# KiCad board geiger-module.kicad_pcb
title: Solarcast Geiger Module; date: 2017-01-30; rev: 1.0; company: Institute IRNAS Rače
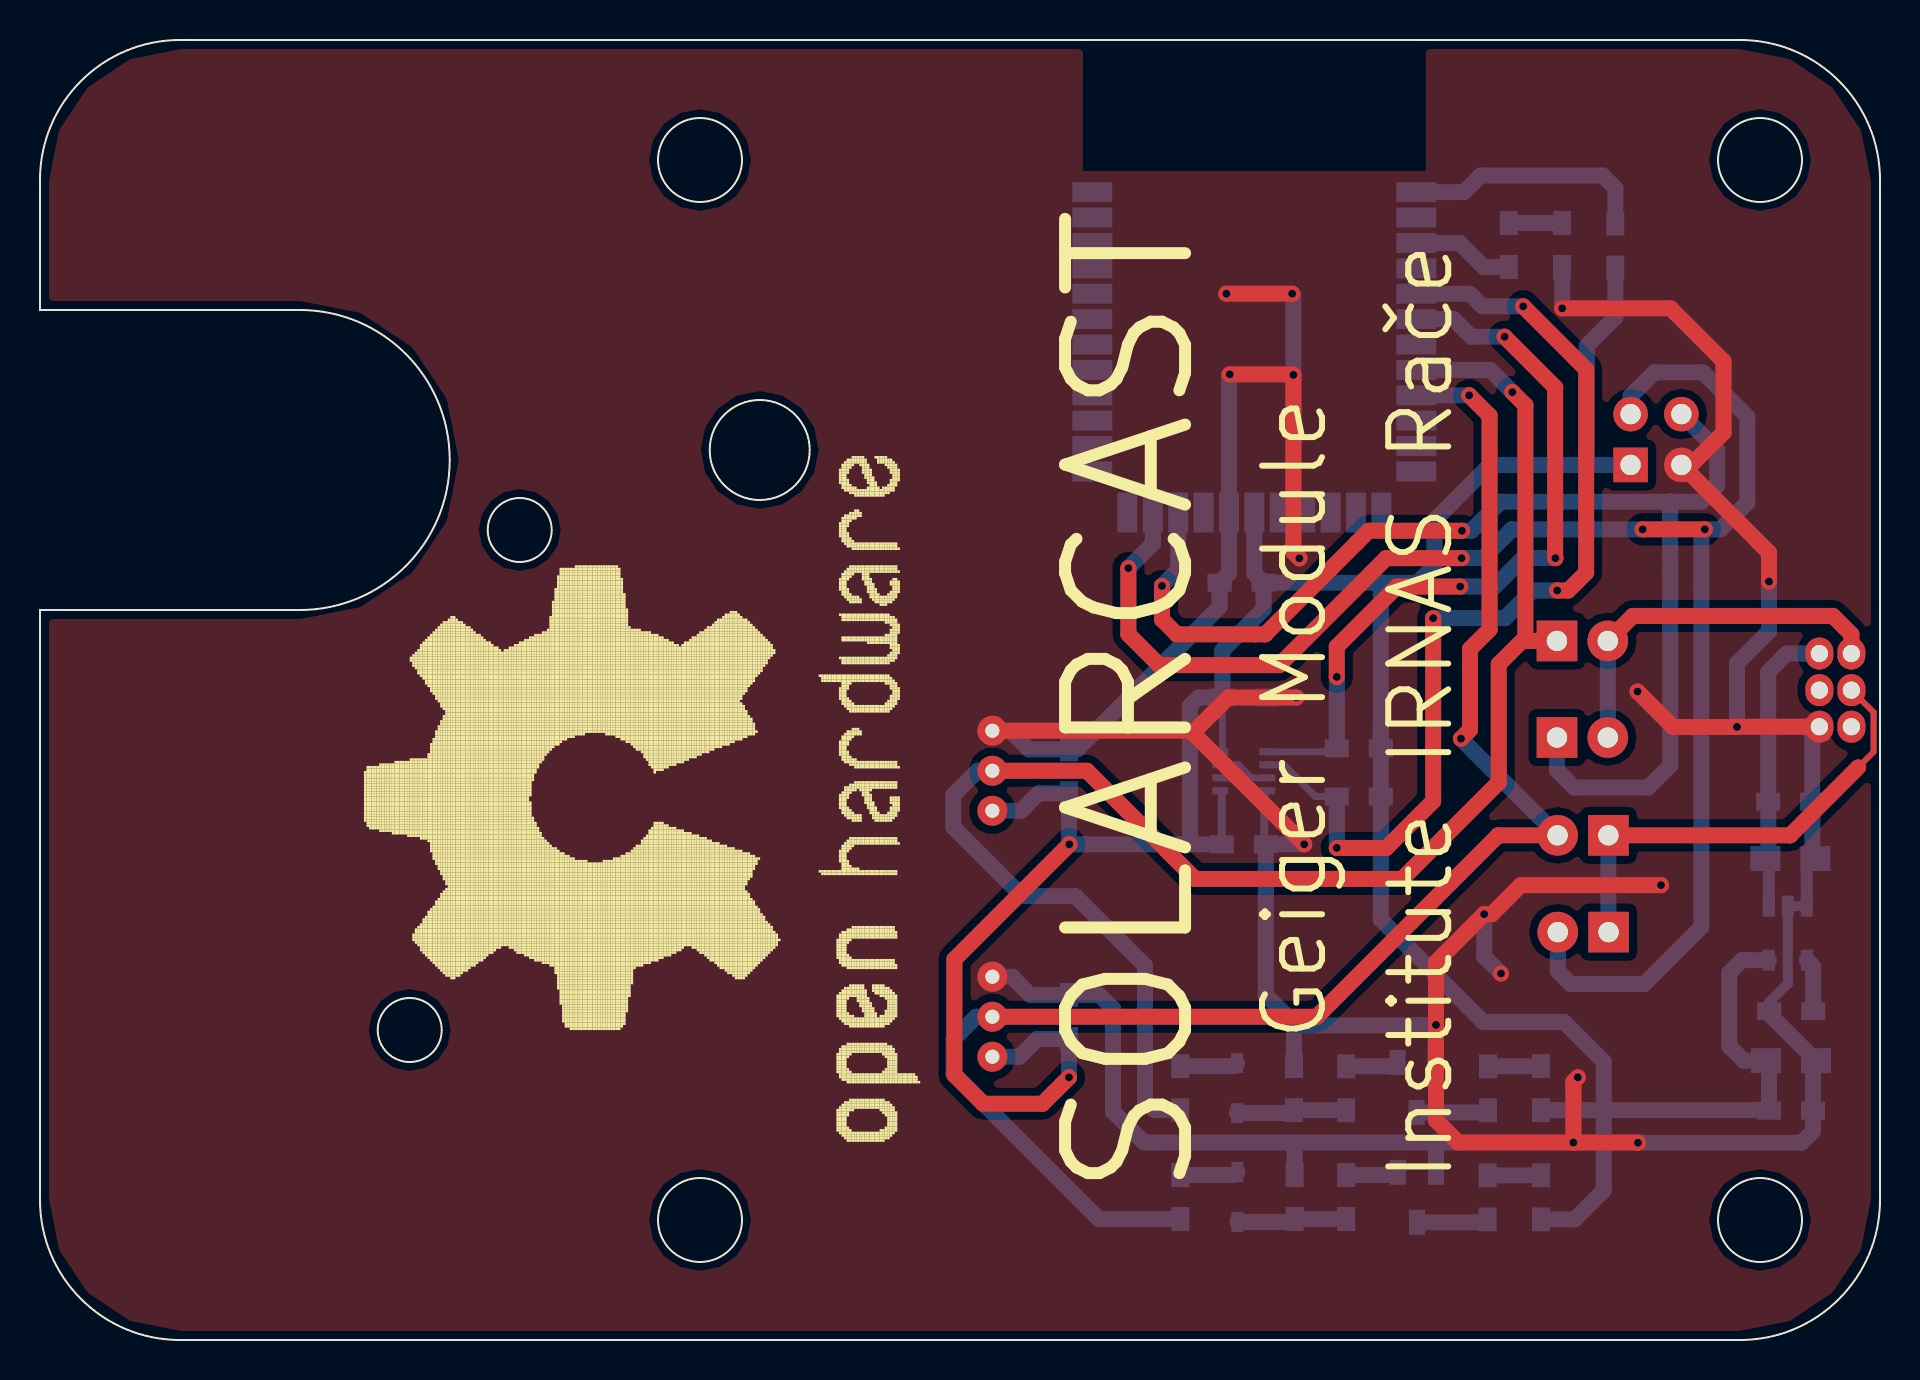
[diagram p0: board, top side]
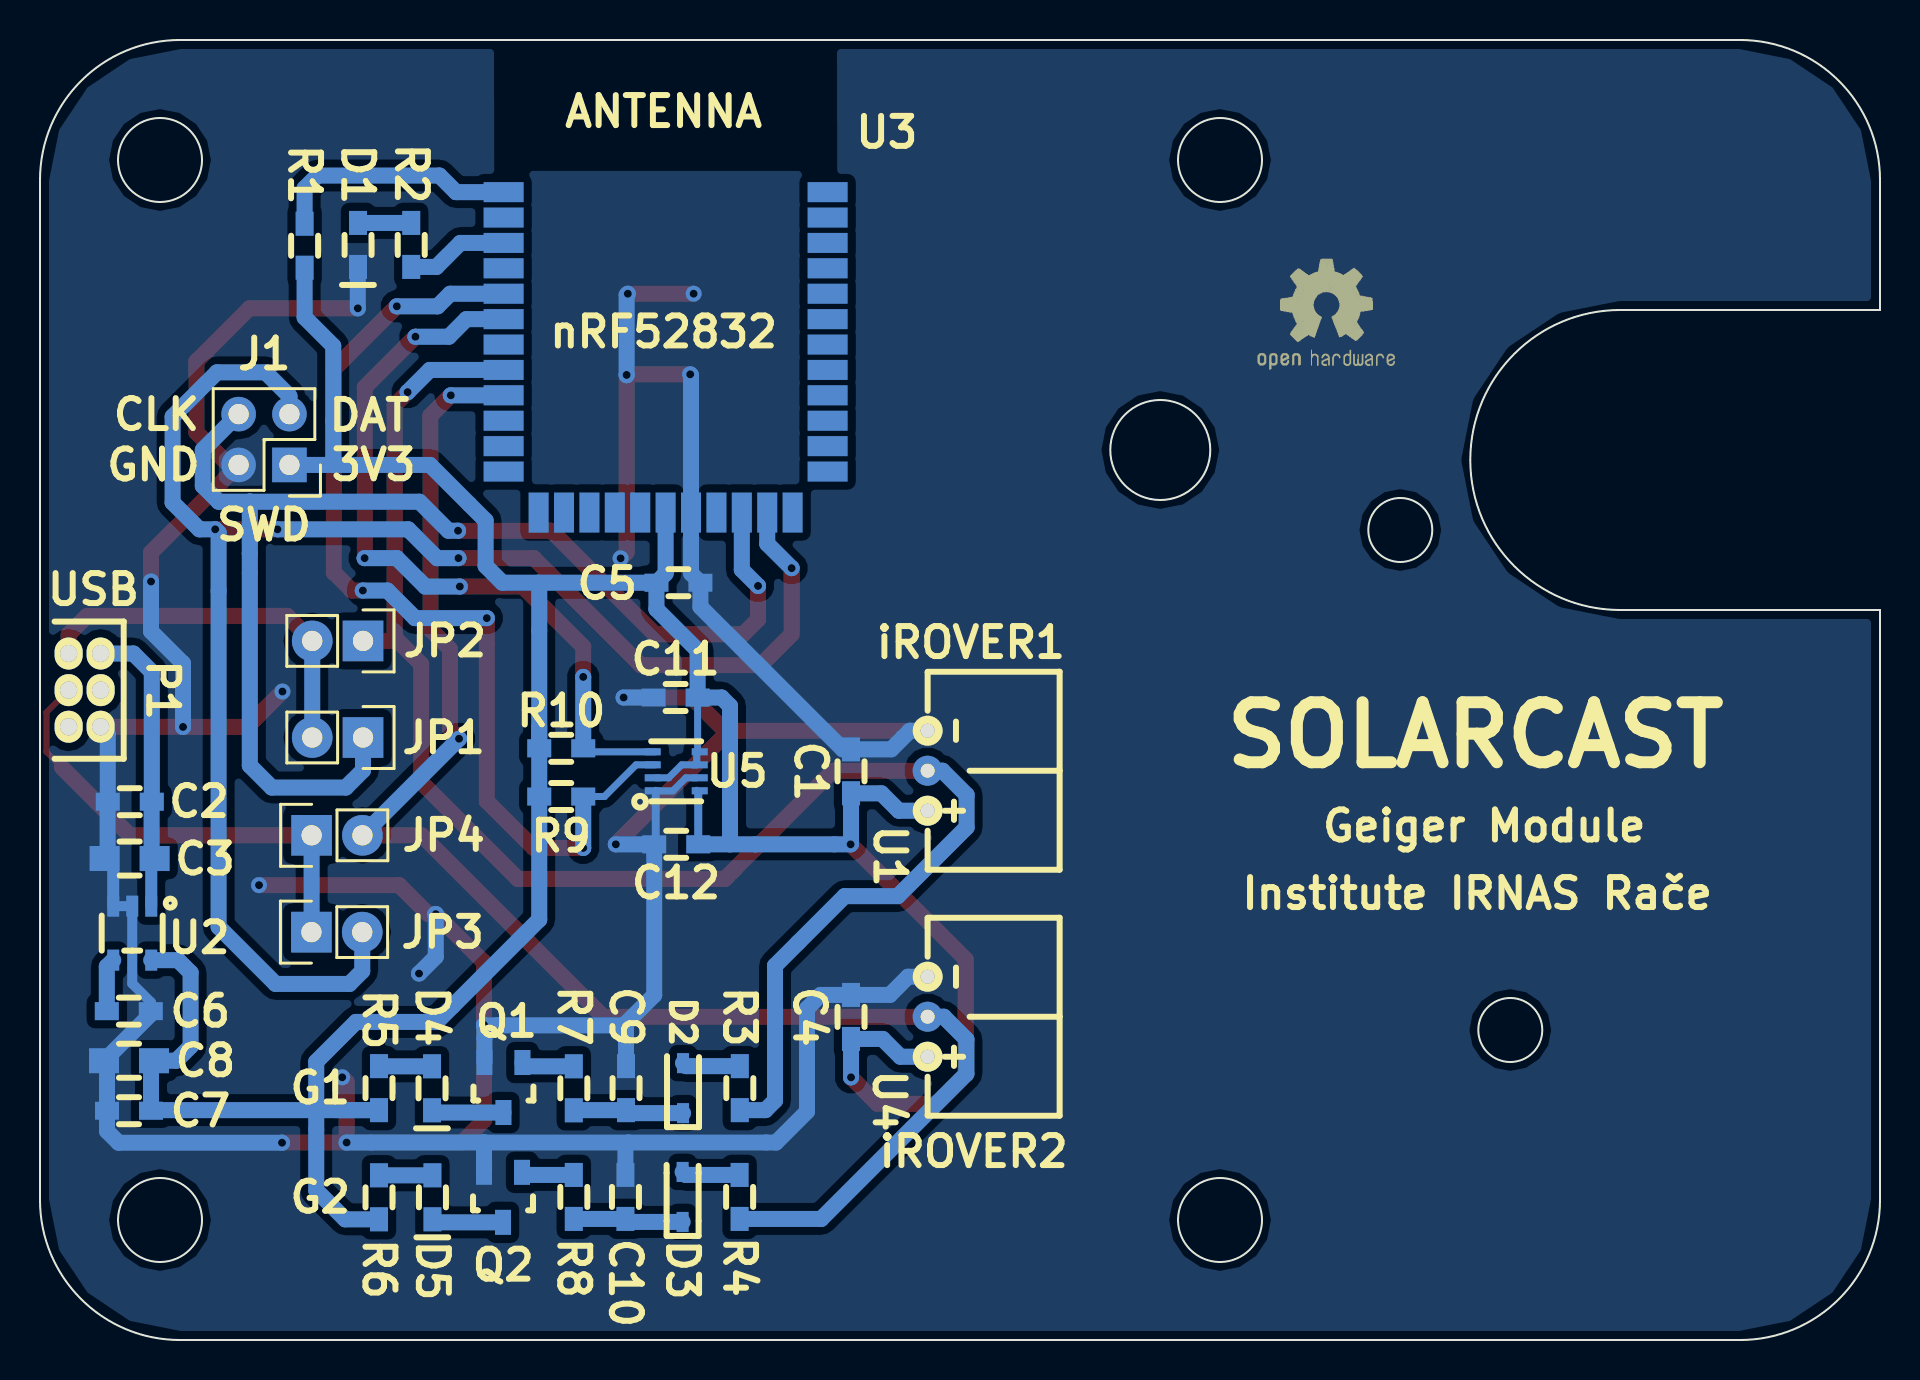
[diagram p1: board, bottom side, seen from below]

Outline 92 x 65 mm; copper layers: Top, Bottom. Coordinates in mm from the lower left corner of the outline.
Outline path: circle c18.49,15.5 r1.6 ; circle c23.99,40.5 r1.6 ; circle c33,59 r2.1 ; circle c33,6 r2.1 ; circle c35.99,44.5 r2.5 ; circle c86,59 r2.1 ; circle c86,6 r2.1 ; 0,58 arc(2.05,62.95) 7,65 85,65 arc(89.95,62.95) 92,58 92,7 arc(89.95,2.05) 85,0 7,0 arc(2.05,2.05) 0,7 0,36.5 12.99,36.5 arc(20.49,44) 12.99,51.5 0,51.5 0,58

## Placement (name value [footprint] x y rotation side)
C1  100nF  [0603_HandSoldering]  51.45 28.43 90 bottom
C2  100nF  [0603_HandSoldering]  87.51 26.91 0 bottom
C3  10uF  [0805_HandSoldering]  87.52 24.07 0 bottom
C4  100nF  [0603_HandSoldering]  51.45 16.15 90 bottom
C5  100nF  [0603_HandSoldering]  60.08 37.86 180 bottom
C6  10nF  [0603_HandSoldering]  87.56 16.44 180 bottom
C7  100nF  [0603_HandSoldering]  87.55 11.46 0 bottom
C8  10uF  [0805_HandSoldering]  87.55 13.96 0 bottom
C9  100nF  [0603_HandSoldering]  62.7 12.59 90 bottom
C10  100nF  [0603_HandSoldering]  62.73 7.15 90 bottom
C11  100nF  [0603_HandSoldering]  60.22 32.12 0 bottom
C12  100nF  [0603_HandSoldering]  60.19 24.78 0 bottom
D1  LED  [LED_0603_HandSoldering]  76.1 54.75 90 bottom
D2  1N4148  [SOD-323]  59.85 12.59 90 bottom
D3  1N4148  [SOD-323]  59.87 7.15 90 bottom
D4  LED  [LED_0603_HandSoldering]  72.4 12.58 90 bottom
D5  LED  [LED_0603_HandSoldering]  72.38 7.13 90 bottom
G***  LOGO  [OSHWLOGO1.5IN]  11.5 8 90 top
G***#2  LOGO  [OSHWLOGO0.3IN]  31.5 55 180 bottom
J1  ARM_SWD_SMALL  [Socket_Strip_Straight_2x02]  79.53 43.75 0 bottom
JP1  JUMPER  [Socket_Strip_Straight_1x02]  75.85 30.12 0 bottom
JP2  JUMPER  [Socket_Strip_Straight_1x02]  75.85 34.95 0 bottom
JP3  JUMPER  [Socket_Strip_Straight_1x02]  78.43 20.39 180 bottom
JP4  JUMPER  [Socket_Strip_Straight_1x02]  78.42 25.23 180 bottom
P1  USB_OTG  [DCP-USBCB-SC]  89.77 32.49 270 bottom
Q1  BC847C  [SOT-23]  68.83 12.62 0 bottom
Q2  BC847C  [SOT-23]  68.85 7.13 0 bottom
R1  10K  [0603_HandSoldering]  78.77 54.71 90 bottom
R2  100R  [0603_HandSoldering]  73.44 54.75 270 bottom
R3  1K  [0603_HandSoldering]  57.01 12.59 90 bottom
R4  1K  [0603_HandSoldering]  57.02 7.15 90 bottom
R5  100R  [0603_HandSoldering]  75.05 12.59 90 bottom
R6  100R  [0603_HandSoldering]  75.05 7.13 90 bottom
R7  100K  [0603_HandSoldering]  65.31 12.58 90 bottom
R8  100K  [0603_HandSoldering]  65.31 7.15 90 bottom
R9  10K  [0603_HandSoldering]  65.94 27.17 180 bottom
R10  10K  [0603_HandSoldering]  65.94 29.58 0 bottom
U1  iRover  [B3B-PH-SM4-TB_IROVER_CONNECTOR]  47.62 28.46 90 bottom
U2  -  [TPS79133]  87.39 21.69 0 bottom
U3  nRF52832  [nRF52832-SMD]  68.82 43.42 180 bottom
U4  iRover  [B3B-PH-SM4-TB_IROVER_CONNECTOR]  47.62 16.16 90 bottom
U5  -  [BME280]  58.94 29.68 0 bottom

## Footprints (pads in the part's own frame, mm; a bottom-side part is the same pattern mirrored in y, then rotated)
0603_HandSoldering
  rect 1.2x0.9 smd: 1(-1.1,0) 2(1.1,0)
0805_HandSoldering
  rect 1.5x1.25 smd: 1(-1.25,0) 2(1.25,0)
B3B-PH-SM4-TB_IROVER_CONNECTOR
  round 1.5 hole 0.7: 1(-2,0) 2(0,0) 3(2,0)
BME280
  rect 0.8x0.35 smd: 1(2.275,2.225) 2(2.275,1.575) 3(2.275,0.925) 4(2.275,0.275) 5(0.225,0.275) 6(0.225,0.925) 7(0.225,1.575) 8(0.225,2.225)
DCP-USBCB-SC
  oval 1.6x1.4 hole 0.86: 1(-1.83,0.8) 2(-1.83,-0.8) 3(0,-0.8) 4(0,0.8) 5(1.83,0.8) 6(1.83,-0.8)
LED_0603_HandSoldering
  rect 1.2x0.9 smd: 1(-1.1,0) 2(1.1,0)
nRF52832-SMD
  rect 2x1 smd: 1(0,13.97) 2(0,12.7) 3(0,11.43) 4(0,10.16) 5(0,8.89) 6(0,7.62) 7(0,6.35) 8(0,5.08) 9(0,3.81) 10(0,2.54) 11(0,1.27) 12(0,0) 24(16.2,0) 25(16.2,1.27) 26(16.2,2.54) 27(16.2,3.81) 28(16.2,5.08) 29(16.2,6.35) 30(16.2,7.62) 31(16.2,8.89) 32(16.2,10.16) 33(16.2,11.43) 34(16.2,12.7) 35(16.2,13.97)
  rect 1x2 smd: 13(1.75,-2.05) 14(3.02,-2.05) 15(4.29,-2.05) 16(5.56,-2.05) 17(6.83,-2.05) 18(8.1,-2.05) 19(9.37,-2.05) 20(10.64,-2.05) 21(11.91,-2.05) 22(13.18,-2.05) 23(14.45,-2.05)
Socket_Strip_Straight_1x02
  rect 2.032x2.032 hole 1.016: 1(0,0)
  oval 2.032x2.032 hole 1.016: 2(2.54,0)
Socket_Strip_Straight_2x02
  rect 1.727x1.727 hole 1.016: 1(0,0)
  oval 1.727x1.727 hole 1.016: 2(0,-2.54) 3(2.54,0) 4(2.54,-2.54)
SOD-323
  rect 1x0.6 smd: 1(-1.25,0) 2(1.25,0)
SOT-23
  rect 0.8x1.25 smd: 1(-0.95,-1.25) 2(0.95,-1.25) 3(0,1.25)
TPS79133
  rect 0.6x1.05 smd: 1(-0.95,0) 2(0,0) 3(0.95,0) 4(0.95,2.7) 5(-0.95,2.7)

## Nets
+3V3: C1.1 C4.1 C5.1 C7.1 C8.1 C11.1 C12.1 J1.1 R1.1 R5.1 R6.1 R9.1 R10.2 U1.1 U2.5 U3.18 U4.1 U5.2 U5.5 U5.6 U5.8
+5V: C2.1 C3.1 P1.1 U2.1
GND: C1.2 C2.2 C3.2 C4.2 C5.2 C6.2 C7.2 C8.2 C9.2 C10.2 C11.2 C12.2 D1.1 J1.3 P1.5 Q1.2 Q2.2 U1.3 U2.2 U2.3 U3.19 U4.3 U5.1 U5.7
GEIGER0: JP2.1 R3.1 U1.2 U3.8
GEIGER1: JP4.2 R4.1 U3.9 U4.2
LED-RED: R2.2 U3.3
TCK: J1.4 JP1.1 U3.21
TMS: J1.2 JP3.2 U3.22
TWI-SCL: R10.1 U3.6 U5.4
TWI-SDA: R9.2 U3.5 U5.3
Net-(C6-Pad1): C6.1 U2.4
Net-(C9-Pad1): C9.1 D2.1 R7.1
Net-(C10-Pad1): C10.1 D3.1 R8.1
Net-(D1-Pad2): D1.2 R2.1
Net-(D2-Pad2): D2.2 R3.2
Net-(D3-Pad2): D3.2 R4.2
Net-(D4-Pad1): D4.1 Q1.3
Net-(D4-Pad2): D4.2 R5.2
Net-(D5-Pad1): D5.1 Q2.3
Net-(D5-Pad2): D5.2 R6.2
Net-(JP1-Pad2): JP1.2 JP2.2 P1.2
Net-(JP3-Pad1): JP3.1 JP4.1 P1.3
Net-(Q1-Pad1): Q1.1 R7.2
Net-(Q2-Pad1): Q2.1 R8.2
Net-(R1-Pad2): R1.2 U3.1

Pads without a net: P1 4 6; U3 2 4 7 10 11 12 13 14 15 16 17 20 23 24 25 26 27 28 29 30 31 32 33 34 35

## Via types
v1: diameter 0.8, hole 0.4, Top to Bottom, 37 vias

## Routing (per net, layer and track width the routed paths; a pad name or vN(x,y) marks a point on that pad's centre or on a via; arc(x,y) is an arc through that point)
+3V3: length 167.9
  Top w0.8: 51.46,24.78 v1(51.47,24.78) 45.72,19.03 45.72,13.25 47.16,11.81 50.13,11.81 v1(51.45,13.13)
  Bottom w0.35: U5.2 60.56,28.11 59.91,28.76 U5.6 U5.5 59.12,29.45 C11.1
  Bottom w0.4: U5.8 59.09,27.38 C12.1
  Bottom w0.8: R6.1 76.74,6.03 78.19,7.48 78.19,11.39 ; 78.19,11.39 78.09,11.49 ; 78.19,11.39 78.19,13.91 76.2,15.9 72.16,15.9 67.04,21.02 R9.1 ; 78.09,11.49 86.42,11.49 C7.1 86.45,13.96 85.19,13.96 84.47,14.68 84.47,18.36 85.1,18.99 U2.5 ; 78.09,11.49 R5.1 77.21,11.49 ; R9.1 67.05,27.16 ; R9.1 R10.2 ; 57.5,24.78 v1(51.47,24.78) 51.45,24.8 C1.1 49.93,27.33 49.06,26.46 U1.1 ; 57.5,24.78 57.5,31.7 57.92,32.12 C11.1 59.12,34.48 61.18,36.54 C5.1 ; 57.5,24.78 C12.1 ; R1.1 78.77,51.13 77.34,49.7 77.34,43.75 ; C5.1 60.72,38.32 U3.18 ; C5.1 67.09,37.86 ; 67.09,37.86 67.04,37.81 R10.2 ; 67.09,37.86 68.88,37.86 69.72,38.7 69.72,40.97 72.5,43.75 77.34,43.75 ; 77.34,43.75 77.34,43.76 77.34,43.75 ; 77.34,43.75 J1.1 ; R10.2 67.04,30.68 ; v1(51.45,13.13) C4.1 49.87,15.05 48.98,14.16 U4.1
+5V: length 14.7
  Bottom w0.6: 86.42,24.07 86.44,24.05 U2.1
  Bottom w0.8: 86.42,24.07 86.42,26.9 C2.1 86.41,33.4 87.33,34.32 P1.1
GND: length 250.9
  Top w0.8: v1(76.67,9.87) 76.67,9.86 ; v1(76.67,9.87) 70.91,9.87 69.8,10.98 v1(69.8,15.75) 69.8,18.88 v1(72.21,21.29) 72.59,21.29 74.04,22.74 v1(81.05,22.74) ; v1(76.67,9.87) 79.89,9.87 v1(79.9,9.86) ; v1(76.67,9.87) 76.67,12.91 v1(76.89,13.13) ; 57.64,30.35 57.53,30.46 U1.3 ; 57.64,30.35 59.41,32.12 v1(62.82,32.12) ; 57.64,30.35 v1(63.21,24.78) ; v1(76.11,51.58) 81.53,51.58 84.18,48.93 84.18,45.37 82.56,43.75 J1.3 86.45,39.37 v1(86.45,37.92) ; v1(62.97,39.08) 62.67,39.38 v1(62.67,48.25) 62.64,48.28 v1(59.49,48.28) ; v1(79.88,32.42) 81.65,30.65 v1(84.85,30.65) 84.86,30.66 P1.5 ; v1(59.32,52.31) v1(62.61,52.31)
  Bottom w0.35: U5.1 60.35,27.46 59.7,28.11 U5.7
  Bottom w0.4: C12.2 61.21,24.86 U5.1
  Bottom w0.5: U2.3 U2.2 87.39,17.82 86.46,16.89 C6.2
  Bottom w0.6: 88.62,24.07 88.34,23.79 U2.3
  Bottom w0.8: 62.58,9.87 62.73,9.72 C10.2 ; 62.58,9.87 55.2,9.87 53.65,11.42 53.65,16.57 52.97,17.25 C4.2 49.51,17.25 48.6,18.16 U4.3 ; 62.58,9.87 69.8,9.87 ; 69.8,9.87 69.8,9.88 69.8,9.87 ; 69.8,9.87 v1(76.67,9.87) ; 69.8,9.87 Q2.2 ; 62.7,15.73 62.7,15.83 61.29,17.24 C12.2 v1(63.21,24.78) ; 62.7,15.73 C9.2 ; 62.7,15.73 69.1,15.73 ; Q1.2 69.78,15.73 ; 69.1,15.73 69.13,15.73 ; 69.1,15.73 69.78,15.73 ; 69.78,15.73 v1(69.8,15.75) 69.78,15.73 ; 88.62,24.07 88.62,26.9 C2.2 88.61,30.3 P1.5 ; v1(86.45,37.92) 86.45,35.43 84.85,33.83 v1(84.85,30.65) ; D1.1 76.11,53.64 v1(76.11,51.58) ; v1(59.49,48.28) 59.45,48.24 U3.19 59.45,38.33 C5.2 58.98,36.65 51.86,29.53 C1.2 49.44,29.53 48.51,30.46 U1.3 ; 62.67,48.23 v1(62.67,48.25) 62.67,52.25 v1(62.61,52.31) ; 72.25,21.29 v1(72.21,21.29) 72.21,19.16 v1(73.05,18.32) ; C6.2 86.46,16.29 88.65,14.1 C7.2 88.65,10.44 88.07,9.86 v1(79.9,9.86) ; C11.2 v1(62.82,32.12)
GEIGER0: length 82.1
  Top w0.8: 74.27,35.12 74.27,46.74 v1(73.62,47.39) ; 74.27,35.12 72.94,33.79 72.94,27.88 68.11,23.05 57.76,23.05 52.35,28.46 U1.2 ; 74.27,35.12 74.27,34.95 JP2.1
  Bottom w0.8: v1(73.62,47.39) 72.51,48.5 U3.8 ; U1.2 46.88,28.46 45.67,27.25 45.67,25.63 49.11,22.19 51.77,22.19 55.25,18.71 55.25,11.97 55.73,11.49 R3.1
GEIGER1: length 78.1
  Top w0.8: JP4.2 72.91,25.23 63.84,16.16 U4.2 ; v1(71.46,47.23) 72.48,46.21 72.48,35.52 71.5,34.54 71.5,30.51 v1(71.05,30.06)
  Bottom w0.8: R4.1 52.94,6.05 45.68,13.31 45.68,15.03 46.81,16.16 U4.2 ; U3.9 v1(71.46,47.23) ; v1(71.05,30.06) JP4.2
LED-RED: length 5.1
  Bottom w0.8: U3.3 70.98,54.85 72.18,53.65 R2.2
TCK: length 62.5
  Top w0.8: v1(71.1,40.46) 66.44,40.46 61.26,35.28 56.84,35.28 56.1,36.02 v1(56.1,37.7)
  Bottom w0.8: v1(56.1,37.7) 56.91,38.51 U3.21 ; 81.51,39.32 81.51,39.34 ; 81.51,39.32 81.51,28.72 80.41,27.62 76.71,27.62 75.85,28.48 JP1.1 ; 81.51,39.32 81.51,41.91 ; 81.51,41.91 73.03,41.91 71.58,40.46 v1(71.1,40.46) ; 81.51,41.91 81.51,41.92 81.51,41.91 ; 81.51,41.91 83.07,41.91 83.86,42.7 83.86,44.5 J1.4
TMS: length 84.5
  Top w0.8: v1(71.08,39.09) 67.31,39.09 61.96,33.74 55.96,33.74 54.42,35.28 v1(54.42,38.59) ; v1(83.24,40.53) v1(80.13,40.53)
  Bottom w0.8: v1(54.42,38.59) 55.64,39.81 U3.22 ; v1(80.13,40.53) 73.59,40.53 72.15,39.09 v1(71.08,39.09) ; J1.2 79.53,47.19 80.72,48.38 83.15,48.38 85.37,46.16 85.37,41.87 84.03,40.53 v1(83.24,40.53) 83.07,40.36 83.07,20.65 80.22,17.8 76.53,17.8 75.89,18.44 JP3.2
TWI-SCL: length 38.4
  Top w0.8: v1(71.01,37.67) 67.85,37.67 64.84,34.66 v1(64.84,33.15) ; v1(75.77,39.09) 75.76,39.09 75.76,47.63 v1(73.23,50.16)
  Bottom w0.35: R10.1 64.66,29.41 U5.4
  Bottom w0.8: v1(73.23,50.16) 71.56,50.16 70.68,51.04 U3.6 ; v1(75.77,39.09) 74.16,39.09 72.74,37.67 v1(71.01,37.67) ; v1(64.84,33.15) R10.1
TWI-SDA: length 50.6
  Top w0.8: v1(75.86,37.47) 76.41,37.47 77.31,38.37 77.31,48.53 v1(74.16,51.68) ; v1(64.84,24.6) 67.32,24.6 69.66,26.94 v1(69.66,36.09)
  Bottom w0.35: R9.2 63.78,27.17 62.19,28.76 U5.3
  Bottom w0.8: v1(74.16,51.68) 72.12,51.68 71.49,52.31 U3.5 ; v1(69.66,36.09) 73.25,36.09 74.63,37.47 v1(75.86,37.47) ; R9.2 v1(64.84,24.6)
Net-(C6-Pad1): length 2.7
  Bottom w0.8: U2.4 88.66,18.67 C6.1
Net-(C9-Pad1): length 5.5
  Bottom w0.8: R7.1 65.3,11.49 C9.1 62.55,11.34 D2.1
Net-(C10-Pad1): length 5.5
  Bottom w0.8: R8.1 C10.1 62.58,5.9 D3.1
Net-(D1-Pad2): length 2.7
  Bottom w0.8: R2.1 D1.2
Net-(D2-Pad2): length 2.9
  Bottom w0.8: D2.2 59.7,13.69 R3.2
Net-(D3-Pad2): length 2.9
  Bottom w0.8: D3.2 59.72,8.25 R4.2
Net-(D4-Pad1): length 3.6
  Bottom w0.8: D4.1 72.29,11.37 Q1.3
Net-(D4-Pad2): length 2.7
  Bottom w0.8: R5.2 75.04,13.68 D4.2
Net-(D5-Pad1): length 3.6
  Bottom w0.8: D5.1 72.23,5.88 Q2.3
Net-(D5-Pad2): length 2.7
  Bottom w0.8: D5.2 R6.2
Net-(JP1-Pad2): length 18.9
  Top w0.8: P1.2 90.57,35.28 89.65,36.2 79.64,36.2 JP2.2
  Bottom w0.8: JP2.2 JP1.2
Net-(JP3-Pad1): length 23.4
  Top w0.3: P1.3 91.68,31.38 91.68,29.4 90.91,28.63
  Top w0.8: 90.91,28.63 87.51,25.23 JP4.1
  Bottom w0.8: JP3.1 78.42,20.4 JP4.1
Net-(Q1-Pad1): length 2.6
  Bottom w0.8: Q1.1 67.69,13.68 R7.2
Net-(Q2-Pad1): length 2.6
  Bottom w0.8: Q2.1 67.77,8.25 R8.2
Net-(R1-Pad2): length 12.3
  Bottom w0.8: R1.2 78.77,57.58 78.13,58.22 72.03,58.22 71.2,57.39 U3.1

## Copper pours and planes (outline as drawn; the poured copper is in the pictures)
GND on Top: 0,57.92 0.04,58.79 0.28,59.98 0.75,61.15 1.48,62.33 2.28,63.16 2.96,63.71 3.62,64.11 4.4,64.51 5.07,64.75 5.95,64.94 6.87,65 7.32,65 85.08,65.01 85.43,64.99 86.2,64.9 86.92,64.73 87.95,64.36 88.69,63.97 89.24,63.56 89.98,62.92 90.58,62.23 91.11,61.4 91.46,60.7 91.75,59.83 91.87,59.31 91.99,58.49 92,6.94 91.92,5.98 91.64,4.77 91.29,3.95 90.87,3.17 90.09,2.17 89.58,1.72 88.52,0.93 87.54,0.47 86.52,0.16 85.66,0.02 85.12,0 7.04,0 6.63,0.01 6.07,0.06 5.47,0.17 4.36,0.51 3.57,0.88 2.95,1.29 2.31,1.8 1.94,2.15 1.52,2.63 1.32,2.89 0.91,3.54 0.64,4.05 0.38,4.77 0.17,5.55 0.03,6.4 0.01,6.78
GND on Bottom: 0,57.98 0.06,58.9 0.26,59.86 0.65,60.91 1.12,61.83 1.7,62.61 2.68,63.52 3.58,64.11 4.52,64.55 5.63,64.86 6.6,64.99 7.09,65 84.99,65 85.86,64.96 86.88,64.75 87.52,64.52 88.49,64.09 89.19,63.61 89.83,63.07 90.1,62.79 90.6,62.2 91.02,61.57 91.44,60.76 91.68,60.06 91.92,58.99 91.98,58.37 92,57.95 92.01,7.01 91.97,6.3 91.87,5.59 91.64,4.77 91.35,4.07 91.14,3.63 90.61,2.81 90.21,2.33 89.81,1.91 88.82,1.13 87.91,0.63 87.21,0.35 86.33,0.12 85.63,0.02 85.01,0 6.94,0 6.23,0.05 5.15,0.24 4.28,0.55 3,1.24 2.25,1.87 1.65,2.47 0.89,3.59 0.42,4.65 0.12,5.65 0.01,6.76 0.01,7.12 0,57.72

## Text on the board
B.SilkS: Geiger Module | Institute IRNAS Rače | iROVER2 | iROVER1 | 3V3 | DAT | G1 | G2 | SWD | CLK | GND | USB | SOLARCAST
F.SilkS: Geiger Module | Institute IRNAS Rače | SOLARCAST
